# Altium PCB PCB For IN12の世界线.PcbDoc (part 1 of 2) (continued)
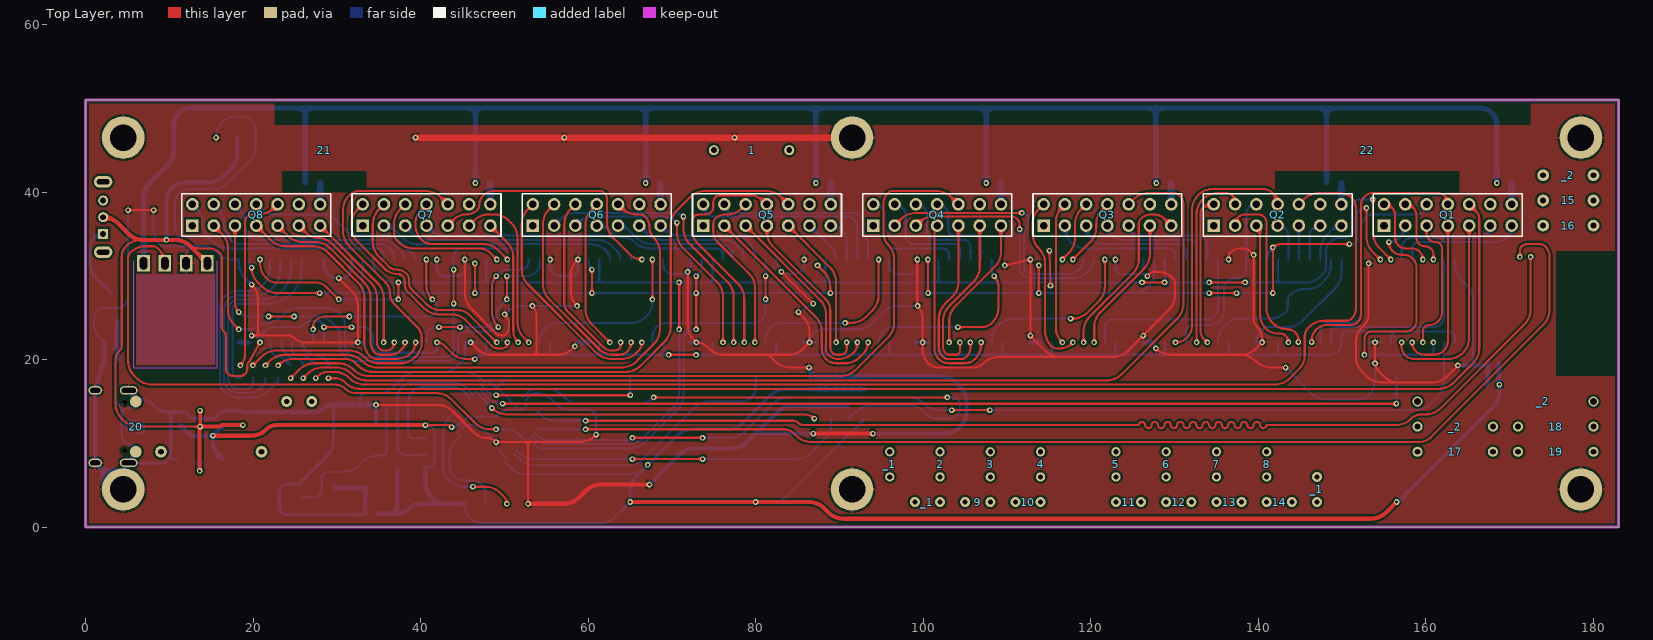
[diagram p0: Top Layer view]
## Nets (pads, with @x,y where several pads share a name; then routed paths per layer and width w, separated by ;. In a path a pad name is that pad's centre, name@x,y a point inside that pad or via, vN(x,y) a via of type N, cw(c..) or ccw(c..) an arc to the next point about the centre after c; other vN are vias at no path point) (continued)
  Top Layer w0.381: v1(13.686,12.004) v1(13.686,13.904)
  Top Layer w0.508: S1.2@2.1,37 cw(c2.1,34.509) 3.862,36.27 5.098,35.034 ccw(c6.894,36.83) 6.894,34.29 v1(9.652,34.29) 10.698,34.29 cw(c10.698,31.75) 12.494,33.546 12.766,33.274 U12.1@14.54,31.5 ; v1(13.614,6.706) 13.614,11.932 v1(13.686,12.004) 16.068,12.004 16.248,12.184 v1(18.786,12.184)
  Bottom Layer w0.254: v1(20.825,22.05) 20.825,22.134 cw(c22.57,22.134) 21.336,23.368 cw(c22.562,22.142) 22.562,23.876 25.295,23.876 ccw(c25.295,24.743) 25.908,24.13 cw(c27.134,22.904) 27.134,24.638 27.581,24.638 cw(c27.581,23.771) 28.194,24.384 cw(c27.588,23.778) 28.445,23.778 TPIC595.2@28.445,22.05 ; v1(31.75,23.876) 33.169,23.876 cw(c33.169,23.009) 33.782,23.622 cw(c32.471,22.311) 34.325,22.311 TPIC595.8@34.325,22.05 34.325,21.548 ccw(c35.052,21.548) 35.052,20.821 41.402,20.821 ccw(c41.402,21.364) 41.945,21.364 v1(41.945,22.05) ; v1(46.482,20.066) cw(c47.708,18.84) 47.708,20.574 48.619,20.574 ; TPIC595.8@47.825,22.05 47.825,21.265 ccw(c48.443,21.265) 48.006,20.828 ccw(c48.619,21.441) 48.619,20.574 ; TPIC595.2@55.445,22.05 55.445,20.75 cw(c55.196,20.75) 55.372,20.574 ; TPIC595.8@61.325,22.05 61.325,20.574 ; TPIC595.2@69.088,22.05 TPIC595.2@68.945,22.05 ccw(c70.937,22.05) 69.528,20.642 v1(69.596,20.574) 61.325,20.574 ; v1(72.898,20.574) 74.825,20.574 ; TPIC595.8@74.825,22.05 74.825,20.574 ; TPIC595.2@82.445,22.05 82.445,20.574 ; TPIC595.8@88.325,22.05 88.325,20.574 ; TPIC595.2@95.945,22.05 95.945,20.574 ; TPIC595.8@101.825,22.05 101.825,20.574 ; TPIC595.2@109.445,22.05 109.445,20.574 ; TPIC595.8@115.325,22.05 115.325,20.574 ; TPIC595.2@122.945,22.05 122.945,20.574 ; TPIC595.8@128.825,22.05 128.825,20.574 ; TPIC595.2@136.445,22.05 136.445,20.574 ; TPIC595.8@142.325,22.05 142.325,20.574 ; TPIC595.8@155.825,22.05 155.825,22.475 cw(c156.718,22.475) 156.718,23.368 ; TPIC595.2@163.445,22.05 163.445,22.737 ccw(c162.814,22.737) 162.814,23.368 156.718,23.368 ; 48.619,20.574 55.372,20.574 ; 55.372,20.574 61.325,20.574 ; 74.825,20.574 82.445,20.574 ; 82.445,20.574 88.325,20.574 ; 88.325,20.574 95.945,20.574 ; 95.945,20.574 101.825,20.574 ; 101.825,20.574 109.445,20.574 ; 109.445,20.574 115.325,20.574 ; 115.325,20.574 122.945,20.574 ; 122.945,20.574 128.825,20.574 ; 128.825,20.574 136.445,20.574 ; 136.445,20.574 142.325,20.574 ; 142.325,20.574 148.59,20.574 ccw(c148.59,21.929) 149.945,21.929 TPIC595.2@149.945,22.05 149.945,22.691 cw(c150.622,22.691) 150.622,23.368 156.718,23.368
  Bottom Layer w0.508: v1(9.652,34.29) 9.652,39.134 cw(c11.448,39.134) 10.178,40.404 cw(c11.974,38.608) 11.974,41.148 14.696,41.148 ccw(c14.696,43.688) 16.492,41.892 17.376,42.776 ccw(c15.58,44.572) 18.12,44.572 HV_EX.1@18.12,46.5 ; v1(13.614,6.706) pad.19@13.614,8.128
595_CLK: C8T6.15 TPIC595.13 | length 215.3
  Top Layer w0.254: v1(20.825,31.95) 20.825,31.535 ccw(c23.365,31.535) 21.569,29.739 21.59,29.718 ccw(c22.816,30.944) 22.816,29.21 27.476,29.21 cw(c27.476,27.476) 28.702,28.702 v1(30.226,27.178) ; v1(37.338,27.178) v1(37.338,29.21) ; v1(70.866,23.622) v1(70.866,29.21) ; v1(115.062,33.02) v1(115.189,28.829) ; v1(126.111,29.21) v1(128.825,29.21) ; v1(134.112,29.21) v1(138.43,29.21) ; v1(153.67,39.116) 153.67,35.157 ccw(c156.21,35.157) 154.414,33.361 v1(155.825,31.95)
  Bottom Layer w0.254: v1(30.226,27.178) v1(37.338,27.178) ; TPIC595.13@34.325,31.95 34.325,31.751 ccw(c36.865,31.751) 35.069,29.955 35.07,29.954 ccw(c36.866,31.75) 36.866,29.21 v1(37.338,29.21) 47.825,29.21 ; TPIC595.13@47.825,31.95 47.825,29.21 ; C8T6.15@53.248,10.948 53.547,10.65 ccw(c55.343,12.446) 55.343,9.906 64.734,9.906 ccw(c64.734,12.446) 66.53,10.65 70.122,14.242 ccw(c68.326,16.038) 70.866,16.038 v1(70.866,23.622) ; TPIC595.13@61.325,31.95 61.325,29.21 ; TPIC595.13@74.825,31.95 74.825,29.21 ; TPIC595.13@88.325,31.95 88.325,29.21 ; TPIC595.13@101.825,31.95 101.825,29.21 ; v1(115.189,28.829) 115.189,29.21 ; v1(126.111,29.21) 115.189,29.21 ; TPIC595.13@128.825,31.95 v1(128.825,29.21) v1(134.112,29.21) ; v1(138.43,29.21) 142.325,29.21 ; TPIC595.13@142.325,31.95 142.325,29.21 ; v1(153.67,39.116) 152.124,39.116 ccw(c152.124,38.249) 151.511,38.862 ccw(c152.124,38.249) 151.257,38.249 151.257,35.56 cw(c150.337,35.56) 150.988,34.91 150.981,34.903 cw(c150.114,35.77) 150.114,34.544 149.816,34.544 ccw(c149.816,32.81) 148.59,34.036 ccw(c149.816,32.81) 148.141,33.257 ccw(c149.816,32.81) 148.082,32.81 148.082,30.861 cw(c147.469,30.861) 147.902,30.427 147.32,29.845 cw(c145.787,31.378) 145.787,29.21 142.325,29.21 ; 47.825,29.21 61.325,29.21 ; 61.325,29.21 v1(70.866,29.21) 74.825,29.21 ; 74.825,29.21 88.325,29.21 ; 88.325,29.21 101.825,29.21 ; 101.825,29.21 115.189,29.21
595_DIN: C8T6.14 TPIC595.3@162.175,22.05 | length 117.6
  Top Layer w0.254: v1(65.278,10.668) v1(73.66,10.668) ; v1(103.378,13.97) v1(107.95,13.97)
  Bottom Layer w0.254: C8T6.14@53.602,11.302 54.226,10.678 ccw(c54.864,11.317) 54.864,10.414 64.665,10.414 ccw(c64.665,11.281) v1(65.278,10.668) ; v1(73.66,10.668) 76.926,10.668 ccw(c76.926,13.208) 78.722,11.412 82.06,14.75 cw(c83.856,12.954) 83.856,15.494 ; 83.82,15.494 83.856,15.494 ; v1(103.378,13.97) 101.89,13.97 cw(c101.89,16.51) 100.094,14.714 100.058,14.75 ccw(c98.262,12.954) 98.262,15.494 83.856,15.494 ; v1(107.95,13.97) 158.714,13.97 ccw(c158.714,16.51) 160.51,14.714 161.431,15.635 ccw(c159.635,17.431) 162.175,17.431 TPIC595.3@162.175,22.05
595_SCK: C8T6.16 TPIC595.12 | length 220.9
  Top Layer w0.254: v1(19.812,30.988) ccw(c22.265,30.988) 20.53,29.254 21.1,28.684 ccw(c22.896,30.48) 22.896,27.94 v1(27.94,27.94) ; v1(46.482,27.94) v1(46.482,31.496) ; v1(60.452,27.94) v1(60.452,30.734) ; v1(72.898,23.622) v1(72.898,27.94) v1(72.898,29.972) ; v1(87.376,31.242) 88.156,30.462 cw(c86.36,28.666) 88.9,28.666 v1(88.9,27.94) ; v1(100.555,31.95) 100.555,28.01 ccw(c100.654,28.01) v1(100.584,27.94) ; v1(113.792,27.94) v1(113.792,31.242) ; v1(134.112,27.94) v1(137.414,27.94) ; v1(141.732,27.94) v1(141.732,33.401) cw(c142.652,32.481) 142.652,33.782 v1(150.876,33.782) ; v1(152.908,38.1) 152.908,34.649 ccw(c155.448,34.649) 153.652,32.853 v1(154.555,31.95)
  Bottom Layer w0.254: TPIC595.12@19.555,31.95 19.555,31.608 ccw(c20.432,31.608) v1(19.812,30.988) ; v1(27.94,27.94) 33.055,27.94 ; TPIC595.12@33.055,31.95 33.055,27.94 ; C8T6.16@52.895,10.595 53.725,9.764 ccw(c54.61,10.649) 54.61,9.398 64.988,9.398 ccw(c64.988,11.938) 66.784,10.142 70.63,13.988 ccw(c68.834,15.784) 71.374,15.784 71.374,22.501 cw(c72.241,22.501) 71.628,23.114 cw(c72.854,21.888) 72.854,23.622 v1(72.898,23.622) ; TPIC595.12@60.055,31.95 60.055,31.692 ccw(c61.41,31.692) v1(60.452,30.734) ; v1(72.898,29.972) 73.406,30.48 ccw(c73.046,30.84) 73.555,30.84 TPIC595.12@73.555,31.95 ; TPIC595.12@127.555,31.95 127.555,30.226 cw(c125.829,30.226) 127.049,29.005 126.523,28.479 cw(c125.222,29.78) 125.222,27.94 ; v1(134.112,27.94) 125.222,27.94 ; v1(137.414,27.94) v1(141.732,27.94) ; TPIC595.12@141.055,31.95 cw(c142.924,31.95) 141.602,33.271 v1(141.732,33.401) ; v1(150.876,33.782) 151.331,33.782 ccw(c151.331,34.216) 151.638,33.909 ccw(c151.331,34.216) 151.765,34.216 151.765,37.233 cw(c152.632,37.233) 152.019,37.846 cw(c152.632,37.233) 152.632,38.1 v1(152.908,38.1) ; 33.055,27.94 v1(46.482,27.94) v1(60.452,27.94) v1(72.898,27.94) v1(88.9,27.94) v1(100.584,27.94) v1(113.792,27.94) 125.222,27.94
3231_SCL: 4K7.1@40.554,10.644 ?.8 C8T6.42 DS3231.16 | length 14.9
  Bottom Layer w0.254: 4K7.1@40.554,10.644 39.041,10.644 cw(c39.041,11.204) 38.481,11.204 ?.8@38.481,12.552 DS3231.16@38.481,14.602 38.481,14.723 cw(c40.649,14.723) 39.116,16.256 cw(c40.342,15.03) 40.342,16.764 43.552,16.764 cw(c43.552,14.224) 45.348,16.02 C8T6.42@45.856,15.512
3231_SDA: 4K7.1@40.554,8.628 ?.7 C8T6.43 DS3231.15 | length 20.2
  Bottom Layer w0.254: 4K7.1@40.554,8.628 38.263,8.628 cw(c38.263,9.68) 37.211,9.68 ?.7@37.211,12.552 DS3231.15@37.211,14.602 37.211,15.231 cw(c39.379,15.231) 37.846,16.764 cw(c39.072,15.538) 39.072,17.272 43.751,17.272 cw(c43.751,14.732) 45.548,16.528 C8T6.43@46.21,15.866
BAT_BAK: ?.6 BAT.1 DS3231.14 | length 19
  Bottom Layer w0.254: BAT.1@25.654,3.556 27.178,3.556 ccw(c27.178,4.572) 28.194,4.572 28.194,5.842 cw(c28.956,5.842) 28.956,6.604 30.799,6.604 ccw(c30.799,9.144) 32.596,7.348 33.038,7.79 cw(c34.834,5.994) 34.834,8.534 35.331,8.534 ccw(c35.331,9.144) 35.941,9.144 ?.6@35.941,12.552 DS3231.14@35.941,14.602
BLE_RX: "BLE 4.2.11" C8T6.12 | length 139.9
  Top Layer w0.254: v1(59.69,12.7) 84.477,12.7 cw(c84.477,11.833) 85.09,12.446 ccw(c85.703,13.059) 85.703,12.192 125.73,12.192 cw(c126.111,12.192) 126.492,12.192 ccw(c126.873,12.192) 127.254,12.192 cw(c127.635,12.192) 128.016,12.192 ccw(c128.397,12.192) 128.778,12.192 cw(c129.159,12.192) 129.54,12.192 ccw(c129.921,12.192) 130.302,12.192 cw(c130.683,12.192) 131.064,12.192 ccw(c131.445,12.192) 131.826,12.192 cw(c132.207,12.192) 132.588,12.192 ccw(c132.969,12.192) 133.35,12.192 cw(c133.731,12.192) 134.112,12.192 ccw(c134.493,12.192) 134.874,12.192 cw(c135.255,12.192) 135.636,12.192 ccw(c136.017,12.192) 136.398,12.192 cw(c136.779,12.192) 137.16,12.192 ccw(c137.541,12.192) 137.922,12.192 cw(c138.303,12.192) 138.684,12.192 ccw(c139.065,12.192) 139.446,12.192 cw(c139.827,12.192) 140.208,12.192 ccw(c140.589,12.192) 140.97,12.192 156.428,12.192 ccw(c156.428,14.732) 158.224,12.936 cw(c159.494,11.666) 159.494,13.462 159.984,13.462 ccw(c159.984,16.002) 161.78,14.206 171.756,24.182 ccw(c169.96,25.978) 172.5,25.978 v1(172.5,32.27)
  Bottom Layer w0.254: C8T6.12@53.955,13.744 54.256,13.444 ccw(c56.052,15.24) 56.052,12.7 v1(59.69,12.7)
BLE_TX: "BLE 4.2.10" C8T6.13 | length 140.2
  Top Layer w0.254: v1(59.69,11.684) 83.356,11.684 cw(c83.356,9.95) 84.582,11.176 84.854,10.904 ccw(c86.65,12.7) 86.65,10.16 159.214,10.16 ccw(c159.214,12.105) 160.59,10.73 174.008,24.148 ccw(c172.212,25.944) 174.752,25.944 174.752,32.302 ccw(c173.018,32.302) 174.244,33.528 ccw(c173.631,32.915) 173.631,33.782 172.063,33.782 ccw(c172.063,32.915) 171.45,33.528 ccw(c171.981,32.997) 171.23,32.997 v1(171.23,32.27)
  Bottom Layer w0.254: C8T6.13@53.955,11.656 59.621,11.656 ccw(c59.621,11.753) v1(59.69,11.684)
DOUTZ: TPIC595.3@94.675,22.05 TPIC595.18@108.175,31.95 | length 22.7
  Top Layer w0.254: v1(104.14,23.876) 106.952,23.876 ccw(c106.952,25.672) 108.222,24.402 ccw(c106.426,26.198) 108.966,26.198 108.966,28.746 ccw(c107.232,28.746) v1(108.458,29.972)
  Bottom Layer w0.254: TPIC595.3@94.675,22.05 cw(c96.469,22.05) 95.2,23.318 95.504,23.622 cw(c96.117,23.009) 96.117,23.876 v1(104.14,23.876) ; TPIC595.18@108.175,31.95 108.175,30.655 ccw(c109.141,30.655) v1(108.458,29.972)
FUNC: C8T6.45 SETTING.1 | length 113.5
  Top Layer w0.254: v1(49.784,14.732) v1(156.464,14.732)
  Bottom Layer w0.254: C8T6.45@46.917,16.573 48.032,15.458 ccw(c49.784,17.21) v1(49.784,14.732) ; v1@156.5,14.732 SETTING.1@156.5,18
GND: 10K.2@87,14.5 10K.2@89,14.5 104.1 105.1@2.23,22 105.2@11.286,13.724 105.2@18.786,13.724 106.1 "BLE 4.2.6" ?.5 BAT.2 C8T6.8 C8T6.23 C8T6.35 C8T6.47 DS3231.5 DS3231.6 DS3231.7 DS3231.8 DS3231.9 DS3231.10 DS3231.11 DS3231.12 DS3231.13 HV_EX.2 J1.4 pad.20 TPIC595.9 TPIC595.10 TPIC595.11 TPIC595.19 TypeC.1 TypeC.2 TypeC.3 TypeC.4 TypeC.A1 TypeC.A12 TypeC.B1 TypeC.B12 U12.2 U16.2 U16.4 Z1.1 Z2.1 Z3.1 Z4.1 Z5.1 Z6.1 | length 770.3
  Top Layer w0.254: v1(5.08,37.846) v1(8.128,37.846) ; v1(19.812,22.86) 20.574,22.86 ; v1(19.812,28.956) 19.83,28.938 cw(c18.034,27.142) 20.574,27.142 20.574,22.86 ; v1(30.226,29.718) 31.768,28.176 cw(c29.972,26.38) 32.512,26.38 v1(32.512,22.05) 26.234,22.05 cw(c26.234,23.948) 24.892,22.606 ccw(c24.279,21.993) 24.279,22.86 20.574,22.86 ; v1(34.671,14.602) 42.004,14.602 cw(c42.004,12.062) 43.8,13.858 46.42,11.238 ccw(c47.796,12.613) 47.796,10.668 cw(c47.796,8.934) v1(49.022,10.16) 52.832,10.16 ; v1(45.285,31.95) 45.285,27.903 ccw(c47.825,27.903) 46.029,26.107 49.096,23.04 ccw(c49.53,23.473) 49.53,22.86 49.679,22.86 ccw(c49.679,23.727) 50.292,23.114 ccw(c49.679,23.727) 50.546,23.727 50.546,24.174 ccw(c48.812,24.174) v1(50.038,25.4) ; v1(45.974,22.05) 46.706,21.318 ccw(c48.502,23.114) 48.502,20.574 53.848,20.574 ; v1(52.832,2.794) 52.832,10.16 ; v1(53.34,26.416) cw(c52.114,25.19) 53.848,25.19 53.848,20.574 ; v1(58.42,21.59) 58.148,21.318 cw(c56.352,23.114) 56.352,20.574 53.848,20.574 ; v1(58.674,26.416) 58.656,26.434 cw(c60.452,28.23) 57.912,28.23 57.912,30.025 cw(c60.452,30.025) 58.656,31.821 v1(58.785,31.95) ; v1(60.96,11.049) 60.815,10.904 cw(c59.019,12.7) 59.019,10.16 52.832,10.16 ; v1(71.882,30.48) 71.882,24.14 ccw(c74.422,24.14) 72.626,22.344 v1(72.92,22.05) cw(c72.92,20.148) 74.265,21.493 ; 74.265,21.493 74.44,21.318 ccw(c76.236,23.114) 76.236,20.574 81.28,20.574 ; v1(83.051,30.487) v1(86.868,26.67) ; v1(85.09,25.654) 85.676,25.068 cw(c83.88,23.272) 86.42,23.272 v1(86.42,22.05) 85.688,21.318 cw(c83.892,23.114) 83.892,20.574 81.28,20.574 ; v1(86.36,19.05) 84.11,19.05 cw(c84.11,21.59) 82.314,19.794 81.714,20.394 ccw(c81.28,19.961) 81.28,20.574 ; v1(99.285,31.95) 99.285,26.486 ccw(c99.384,26.486) v1(99.314,26.416) cw(c97.851,24.953) 99.92,24.953 v1(99.92,22.05) 99.92,21.161 ccw(c102.187,21.161) 100.584,19.558 ccw(c101.81,20.784) 101.81,19.05 105.936,19.05 ccw(c105.936,20.846) 107.206,19.576 cw(c109.002,17.78) 109.002,20.32 116.368,20.32 ; v1(109.728,31.242) v1(112.785,31.95) 112.785,22.869 v1(112.776,22.86) 114.572,21.064 ccw(c116.368,22.86) 116.368,20.32 ; v1(126.746,29.972) 127.074,30.3 cw(c127.508,29.867) 127.508,30.48 127.98,30.48 cw(c127.98,27.94) 129.776,29.736 129.794,29.718 cw(c129.181,29.105) 130.048,29.105 130.048,27.722 cw(c127.508,27.722) 129.304,25.926 v1(126.238,22.86) 124.442,21.064 cw(c122.646,22.86) 122.646,20.32 116.368,20.32 ; v1(127.762,21.336) 127.78,21.318 ccw(c129.576,23.114) 129.576,20.574 137.886,20.574 ; v1(136.445,31.95) 136.445,32.266 cw(c137.152,32.266) 136.652,32.766 cw(c137.878,31.54) 137.878,33.274 138.176,33.274 cw(c138.176,32.048) 139.043,32.915 v1(139.446,32.512) 139.446,24.743 ccw(c140.313,24.743) 139.7,24.13 139.718,24.112 cw(c137.922,22.316) 140.462,22.316 v1(140.462,22.05) 139.73,21.318 cw(c137.934,23.114) 137.934,20.574 137.886,20.574 ; v1(143.256,19.05) 141.514,19.05 cw(c141.514,21.59) 139.718,19.794 139.682,19.83 ccw(c137.886,18.034) 137.886,20.574 ; v1(153.162,31.496) 153.162,25.356 cw(c151.428,25.356) 152.654,24.13 152.382,23.858 ccw(c154.178,22.062) 151.638,22.062 151.638,20.356 ccw(c154.178,20.356) 152.382,18.56 152.926,18.016 ccw(c154.722,19.812) 154.722,17.272 156.754,17.272 ; v1(153.924,22.05) 153.924,19.768 ccw(c155.658,19.768) 154.432,18.542 154.958,18.016 ccw(c156.754,19.812) 156.754,17.272 ; v1(163.83,19.304) 162.542,18.016 cw(c160.746,19.812) 160.746,17.272 156.754,17.272
  Top Layer w0.508: v1(52.832,2.794) 57.114,2.794 ccw(c57.114,5.334) 58.91,3.538 59.708,4.336 cw(c61.504,2.54) 61.504,5.08 v1(67.31,5.08) ; v1(86.868,11.176) v1(93.98,11.176)
  Top Layer w0.762: v1(39.388,46.5) v1(57.15,46.5) v1(77.47,46.5) Z6.1@91.5,46.5
  Bottom Layer w0.254: 105.1@2.23,22 1.76,22.47 cw(c3.556,24.266) 1.016,24.266 1.016,24.682 cw(c2.75,24.682) 1.524,25.908 cw(c2.137,25.295) 2.137,26.162 3.959,26.162 ccw(c3.959,27.029) 4.572,26.416 ccw(c3.346,27.642) 5.08,27.642 v1(5.08,37.846) ; v1(8.128,37.846) 8.128,35.596 ccw(c10.668,35.596) 8.872,33.8 8.89,33.782 ccw(c9.503,34.395) 9.503,33.528 13.244,33.528 ; 10.011,8.397 ccw(c10.661,9.047) 10.661,8.128 pad.20@10.973,8.128 ; U12.2@12,31.5 12,32.556 cw(c12.656,32.556) 12.192,33.02 cw(c13.418,31.794) 13.418,33.528 ; v1(15.58,46.5) 15.58,46.532 cw(c18.12,46.532) 16.324,48.328 cw(c18,46.652) 18,49.022 18.586,49.022 cw(c18.586,47.288) 19.812,48.514 cw(c18.586,47.288) 20.32,47.288 20.32,45.502 cw(c17.78,45.502) 19.576,43.706 17,41.13 cw(c15.204,42.926) 15.204,40.386 12.402,40.386 ccw(c12.402,38.652) 11.176,39.878 ccw(c12.402,38.652) 10.668,38.652 10.668,36.104 ccw(c13.208,36.104) 11.412,34.308 11.448,34.272 ccw(c13.244,36.068) 13.244,33.528 ; v1(19.812,28.956) 19.029,29.739 cw(c20.825,31.535) 18.285,31.535 TPIC595.11@18.285,31.95 17.359,31.95 cw(c17.359,33.869) 16.002,32.512 15.73,32.784 ccw(c13.934,30.988) 13.934,33.528 13.418,33.528 ; DS3231.9@29.361,14.602 DS3231.9@29.591,14.602 ; 32.766,14.602 32.766,15.24 cw(c33.528,15.24) 33.528,16.002 35.016,16.002 ccw(c35.016,18.542) 36.812,16.746 37.864,17.798 cw(c39.66,16.002) 39.66,18.542 42.636,18.542 ; C8T6.35@44.46,11.32 45.058,11.918 cw(c45.72,11.255) 45.72,12.192 45.938,12.192 cw(c45.938,9.652) 47.734,11.448 v1(49.022,10.16) ccw(c50.572,10.16) 49.476,9.064 C8T6.23@50.42,8.12 ; TPIC595.10@45.285,22.05 45.285,20.601 cw(c44.169,20.601) 44.958,19.812 44.432,19.286 cw(c42.636,21.082) 42.636,18.542 ; C8T6.47@47.624,17.28 47.106,17.798 ccw(c45.31,16.002) 45.31,18.542 42.636,18.542 ; v1(50.038,25.4) 50.31,25.672 cw(c52.106,23.876) 52.106,26.416 v1(53.34,26.416) v1(58.674,26.416) ; C8T6.8@52.541,15.159 53.057,15.674 cw(c53.848,14.883) 53.848,16.002 cw(c53.848,13.549) 55.582,15.284 56.152,14.714 ccw(c57.948,16.51) 57.948,13.97 60.093,13.97 cw(c60.093,13.103) 60.706,13.716 cw(c60.093,13.103) 60.96,13.103 v1(60.96,11.049) ; TPIC595.19@68.945,31.95 68.945,31.438 ccw(c70.3,31.438) 69.342,30.48 ccw(c69.955,31.093) 69.955,30.226 71.269,30.226 ccw(c71.269,31.093) v1(71.882,30.48) ccw(c70.909,31.453) 72.285,31.453 TPIC595.11@72.285,31.95 ; TPIC595.19@82.445,31.95 ccw(c84.514,31.95) v1(83.051,30.487) ccw(c83.681,31.117) 83.681,30.226 84.372,30.226 ccw(c84.372,31.96) 85.598,30.734 ccw(c85.147,31.185) 85.785,31.185 v1(85.785,31.95) ; v1(85.09,25.654) v1(86.868,26.67) ; v1(86.42,22.05) cw(c87.907,22.05) 86.856,23.102 cw(c88.112,21.845) 88.112,23.622 92.166,23.622 ccw(c92.166,26.162) 93.962,24.366 95.268,25.672 cw(c97.064,23.876) 97.064,26.416 v1(99.314,26.416) ; TPIC595.19@95.945,31.95 95.945,31.255 ccw(c97.041,31.255) 96.266,30.48 ccw(c96.879,31.093) 96.879,30.226 98.447,30.226 ccw(c98.447,31.093) 99.06,30.48 ccw(c98.517,31.023) 99.285,31.023 v1(99.285,31.95) ; v1(122.945,31.95) 122.945,31.071 ccw(c123.781,31.071) 123.19,30.48 ccw(c123.803,31.093) 123.803,30.226 125.371,30.226 ; TPIC595.11@126.285,31.95 126.285,31.207 cw(c125.257,31.207) 125.984,30.48 cw(c125.371,31.093) 125.371,30.226 ; v1(126.746,29.972) ccw(c126.133,29.359) 126.133,30.226 125.371,30.226 ; TPIC595.10@139.785,22.05 cw(c141.946,22.05) 140.418,23.578 140.462,23.622 cw(c141.075,23.009) 141.075,23.876 143.474,23.876 ccw(c143.474,26.416) 145.27,24.62 149.201,28.551 ccw(c147.405,30.347) 149.945,30.347 TPIC595.19@149.945,31.95 ; v1(143.256,19.05) 146.322,15.984 ccw(c148.118,17.78) 148.118,15.24 151.91,15.24 ccw(c151.91,17.036) 153.18,15.766 ccw(c151.384,17.562) 153.924,17.562 v1(153.924,19.558) ; TPIC595.19@163.445,31.95 163.445,31.409 ccw(c165.985,31.409) 164.189,29.613 164.864,28.938 cw(c163.068,27.142) 165.608,27.142 165.608,19.304 ; 13.244,33.528 13.418,33.528
  Bottom Layer w0.381: TypeC.4@5.154,16.326 TypeC.A12@5.832,15.279 ; TypeC.A1@5.832,8.723 TypeC.3@5.154,7.676 ccw(c5.29,7.813) 5.29,7.62 9.039,7.62 ccw(c9.039,8.487) 9.652,7.874 ccw(c8.426,9.1) 10.011,8.397 ccw(c8.426,9.1) 10.16,9.1 10.16,13.724 ; TypeC.A12@5.944,15.351 6.202,15.351 cw(c6.202,12.811) 7.999,14.607 8.138,14.468 ccw(c9.934,16.264) 9.934,13.724 10.16,13.724 ; 105.2@18.786,13.724 18.606,13.904 U16.4@16.286,13.904 15.336,12.954 U16.2@13.686,12.954 12.75,12.954 11.98,13.724 105.2@11.286,13.724 10.16,13.724 ; TPIC595.19@28.445,31.95 28.445,31.416 ccw(c30.084,31.416) 28.925,30.257 ccw(c30.226,31.558) v1(30.226,29.718) 30.629,29.718 ccw(c30.629,30.585) 31.242,29.972 ccw(c29.931,31.283) 31.785,31.283 TPIC595.11@31.785,31.95 ; DS3231.9@29.591,14.602 29.591,10.323 cw(c27.051,10.323) 28.847,8.527 25.78,5.46 ccw(c26.084,5.156) BAT.2@25.654,5.156 24.165,5.156 ccw(c24.165,4.029) 23.368,4.826 ccw(c23.981,4.213) 23.114,4.213 23.114,2.391 ccw(c23.981,2.391) 23.368,1.778 ccw(c23.981,2.391) 23.981,1.524 32.957,1.524 ccw(c32.957,1.961) 104.1@33.266,1.652 ; v1(41.945,31.95) 41.945,30.953 ccw(c42.926,30.953) 42.926,29.972 44.45,29.972 ccw(c44.45,30.807) 45.285,30.807 v1(45.285,31.95) ; v1(55.445,31.95) 55.445,31.169 ccw(c56.642,31.169) 56.642,29.972 57.912,29.972 ccw(c57.912,30.845) 58.785,30.845 v1(58.785,31.95)
  Bottom Layer w0.508: 105.1@2.23,22 106.1@2.23,20 TypeC.1@1.154,16.326 TypeC.2@1.154,7.676 4.21,4.62 ccw(c4.5,4.91) Z2.1@4.5,4.5 4.5,6.098 cw(c6.732,6.098) TypeC.3@5.154,7.676 ; TPIC595.10@18.285,22.05 TPIC595.9@19.555,22.05 ; 105.2@18.786,13.724 27.241,13.724 ccw(c27.241,15.431) 28.448,14.224 cw(c29.361,13.311) DS3231.9@29.361,14.602 ; DS3231.8@29.591,4.702 DS3231.7@30.861,4.702 DS3231.6@32.131,4.702 DS3231.5@33.401,4.702 33.401,1.652 104.1@33.266,1.652 ; DS3231.9@29.591,14.602 DS3231.10@30.861,14.602 DS3231.11@32.131,14.602 32.766,14.602 DS3231.12@33.401,14.602 v1(34.671,14.602) ?.5@34.671,12.552 ; TPIC595.10@31.785,22.05 v1(32.512,22.05) TPIC595.9@33.055,22.05 ; TPIC595.10@45.285,22.05 v1(45.974,22.05) TPIC595.9@46.555,22.05 ; TPIC595.10@58.785,22.05 TPIC595.9@60.055,22.05 ; v1(67.31,5.08) 70.884,8.654 cw(c72.68,6.858) 72.68,9.398 77.18,9.398 ccw(c77.18,11.938) 78.976,10.142 79.756,10.922 ; TPIC595.10@72.285,22.05 v1(72.92,22.05) TPIC595.9@73.555,22.05 ; TPIC595.10@85.785,22.05 v1(86.42,22.05) TPIC595.9@87.055,22.05 ; v1(86.36,19.05) ccw(c87.35,19.05) 86.65,18.35 104.1@87,18 104.1@89,18 104.1@91,18 104.1@93,18 102.106,18 cw(c102.106,15.46) 103.902,17.256 104.412,16.746 cw(c102.616,14.95) 105.156,14.95 105.156,13.752 cw(c102.616,13.752) 104.412,11.956 104.376,11.92 cw(c102.58,13.716) 102.58,11.176 v1(93.98,11.176) ; v1(86.868,11.176) 80.369,11.176 ccw(c80.369,10.309) 79.757,10.923 ; 104.1@91,14.5 10K.2@89,14.5 10K.2@87,14.5 84.386,14.5 ccw(c84.386,11.96) 82.59,13.756 79.757,10.923 ; TPIC595.10@99.285,22.05 v1(99.92,22.05) TPIC595.9@100.555,22.05 ; TPIC595.10@112.785,22.05 TPIC595.9@114.055,22.05 ; TPIC595.10@126.285,22.05 TPIC595.9@127.555,22.05 ; TPIC595.10@139.785,22.05 v1(140.462,22.05) ; TPIC595.10@153.285,22.05 v1(153.924,22.05) TPIC595.9@154.555,22.05 ; v1(163.83,19.304) 165.608,19.304 166.947,19.304 ccw(c166.947,19.973) 167.42,19.5 167.42,17.19 104.1@167.23,17
HV_EN: C8T6.17 U12.3 | length 69.9
  Top Layer w0.254: U12.3@9.46,31.5 ccw(c7.166,31.5) 8.788,33.122 8.636,33.274 ccw(c8.023,32.661) 8.023,33.528 7.148,33.528 ccw(c7.148,30.988) 5.352,32.784 5.334,32.766 ccw(c5.947,32.153) 5.08,32.153 5.08,19.848 ccw(c7.62,19.848) 5.824,18.052 6.114,17.762 ccw(c7.91,19.558) 7.91,17.018 29.762,17.018 cw(c29.762,15.284) 30.988,16.51 ccw(c32.214,17.736) 32.214,16.002 41.874,16.002 cw(c41.874,13.462) 43.67,15.258 46.5,12.428 ccw(c48.296,14.224) 48.296,11.684 v1(49.022,11.684)
  Bottom Layer w0.254: v1(49.022,11.684) 50.047,11.684 cw(c50.047,9.144) 51.843,10.94 C8T6.17@52.541,10.241
L1-0: Q1.3 TPIC595.4@160.905,22.05 | length 33.5
  Top Layer w0.254: v1(152.654,20.574) 152.654,22.501 cw(c153.521,22.501) 152.908,23.114 cw(c153.521,22.501) 153.521,23.368 157.6,23.368 ccw(c157.6,24.638) 158.87,24.638 158.87,30.988 ccw(c157.346,30.988) 157.346,32.512 157.092,32.512 cw(c157.092,34.036) v1(155.568,34.036)
  Bottom Layer w0.254: v1(152.654,20.574) 160.648,20.574 ccw(c160.648,20.828) 160.902,20.828 160.902,22.05 v1(160.905,22.05) ; v1(155.568,34.036) 155.576,34.036 ccw(c155.576,36) Q1.3@157.54,36
L1-1: Q1.5 TPIC595.5@159.635,22.05 | length 16.3
  Top Layer w0.254: v1(159.635,22.05) 159.635,23.371 cw(c160.394,23.371) 160.394,24.13 ccw(c160.394,25.654) 161.918,25.654 161.918,33.274 ccw(c161.156,33.274) 161.156,34.036 cw(c161.156,35.112) 160.08,35.112 Q1.5@160.08,36
L1-2: Q1.7 TPIC595.6@158.365,22.05 | length 19.8
  Top Layer w0.254: v1(158.365,22.05) ccw(c159.841,22.05) 159.841,20.574 160.902,20.574 ccw(c160.902,22.292) 162.62,22.292 Q1.7@162.62,36
L1-3: Q1.9 TPIC595.7@157.095,22.05 | length 24.2
  Top Layer w0.254: v1(157.095,22.05) 157.095,21.587 ccw(c158.616,21.587) 158.616,20.066 162.62,20.066 ccw(c162.62,22.606) 165.16,22.606 Q1.9@165.16,36
L1-4: Q1.11 TPIC595.14@157.095,31.95 | length 13.5
  Bottom Layer w0.254: TPIC595.14@157.095,31.95 157.095,33.277 cw(c158.362,33.277) 158.362,34.544 166.244,34.544 ccw(c166.244,36) Q1.11@167.7,36
L1-5: Q1.13 TPIC595.15@158.365,31.95 | length 14.8
  Bottom Layer w0.254: TPIC595.15@158.365,31.95 158.365,33.277 cw(c159.124,33.277) 159.124,34.036 168.276,34.036 ccw(c168.276,36) Q1.13@170.24,36